# KiCad board matrix-x02-x06.kicad_pcb (continued)
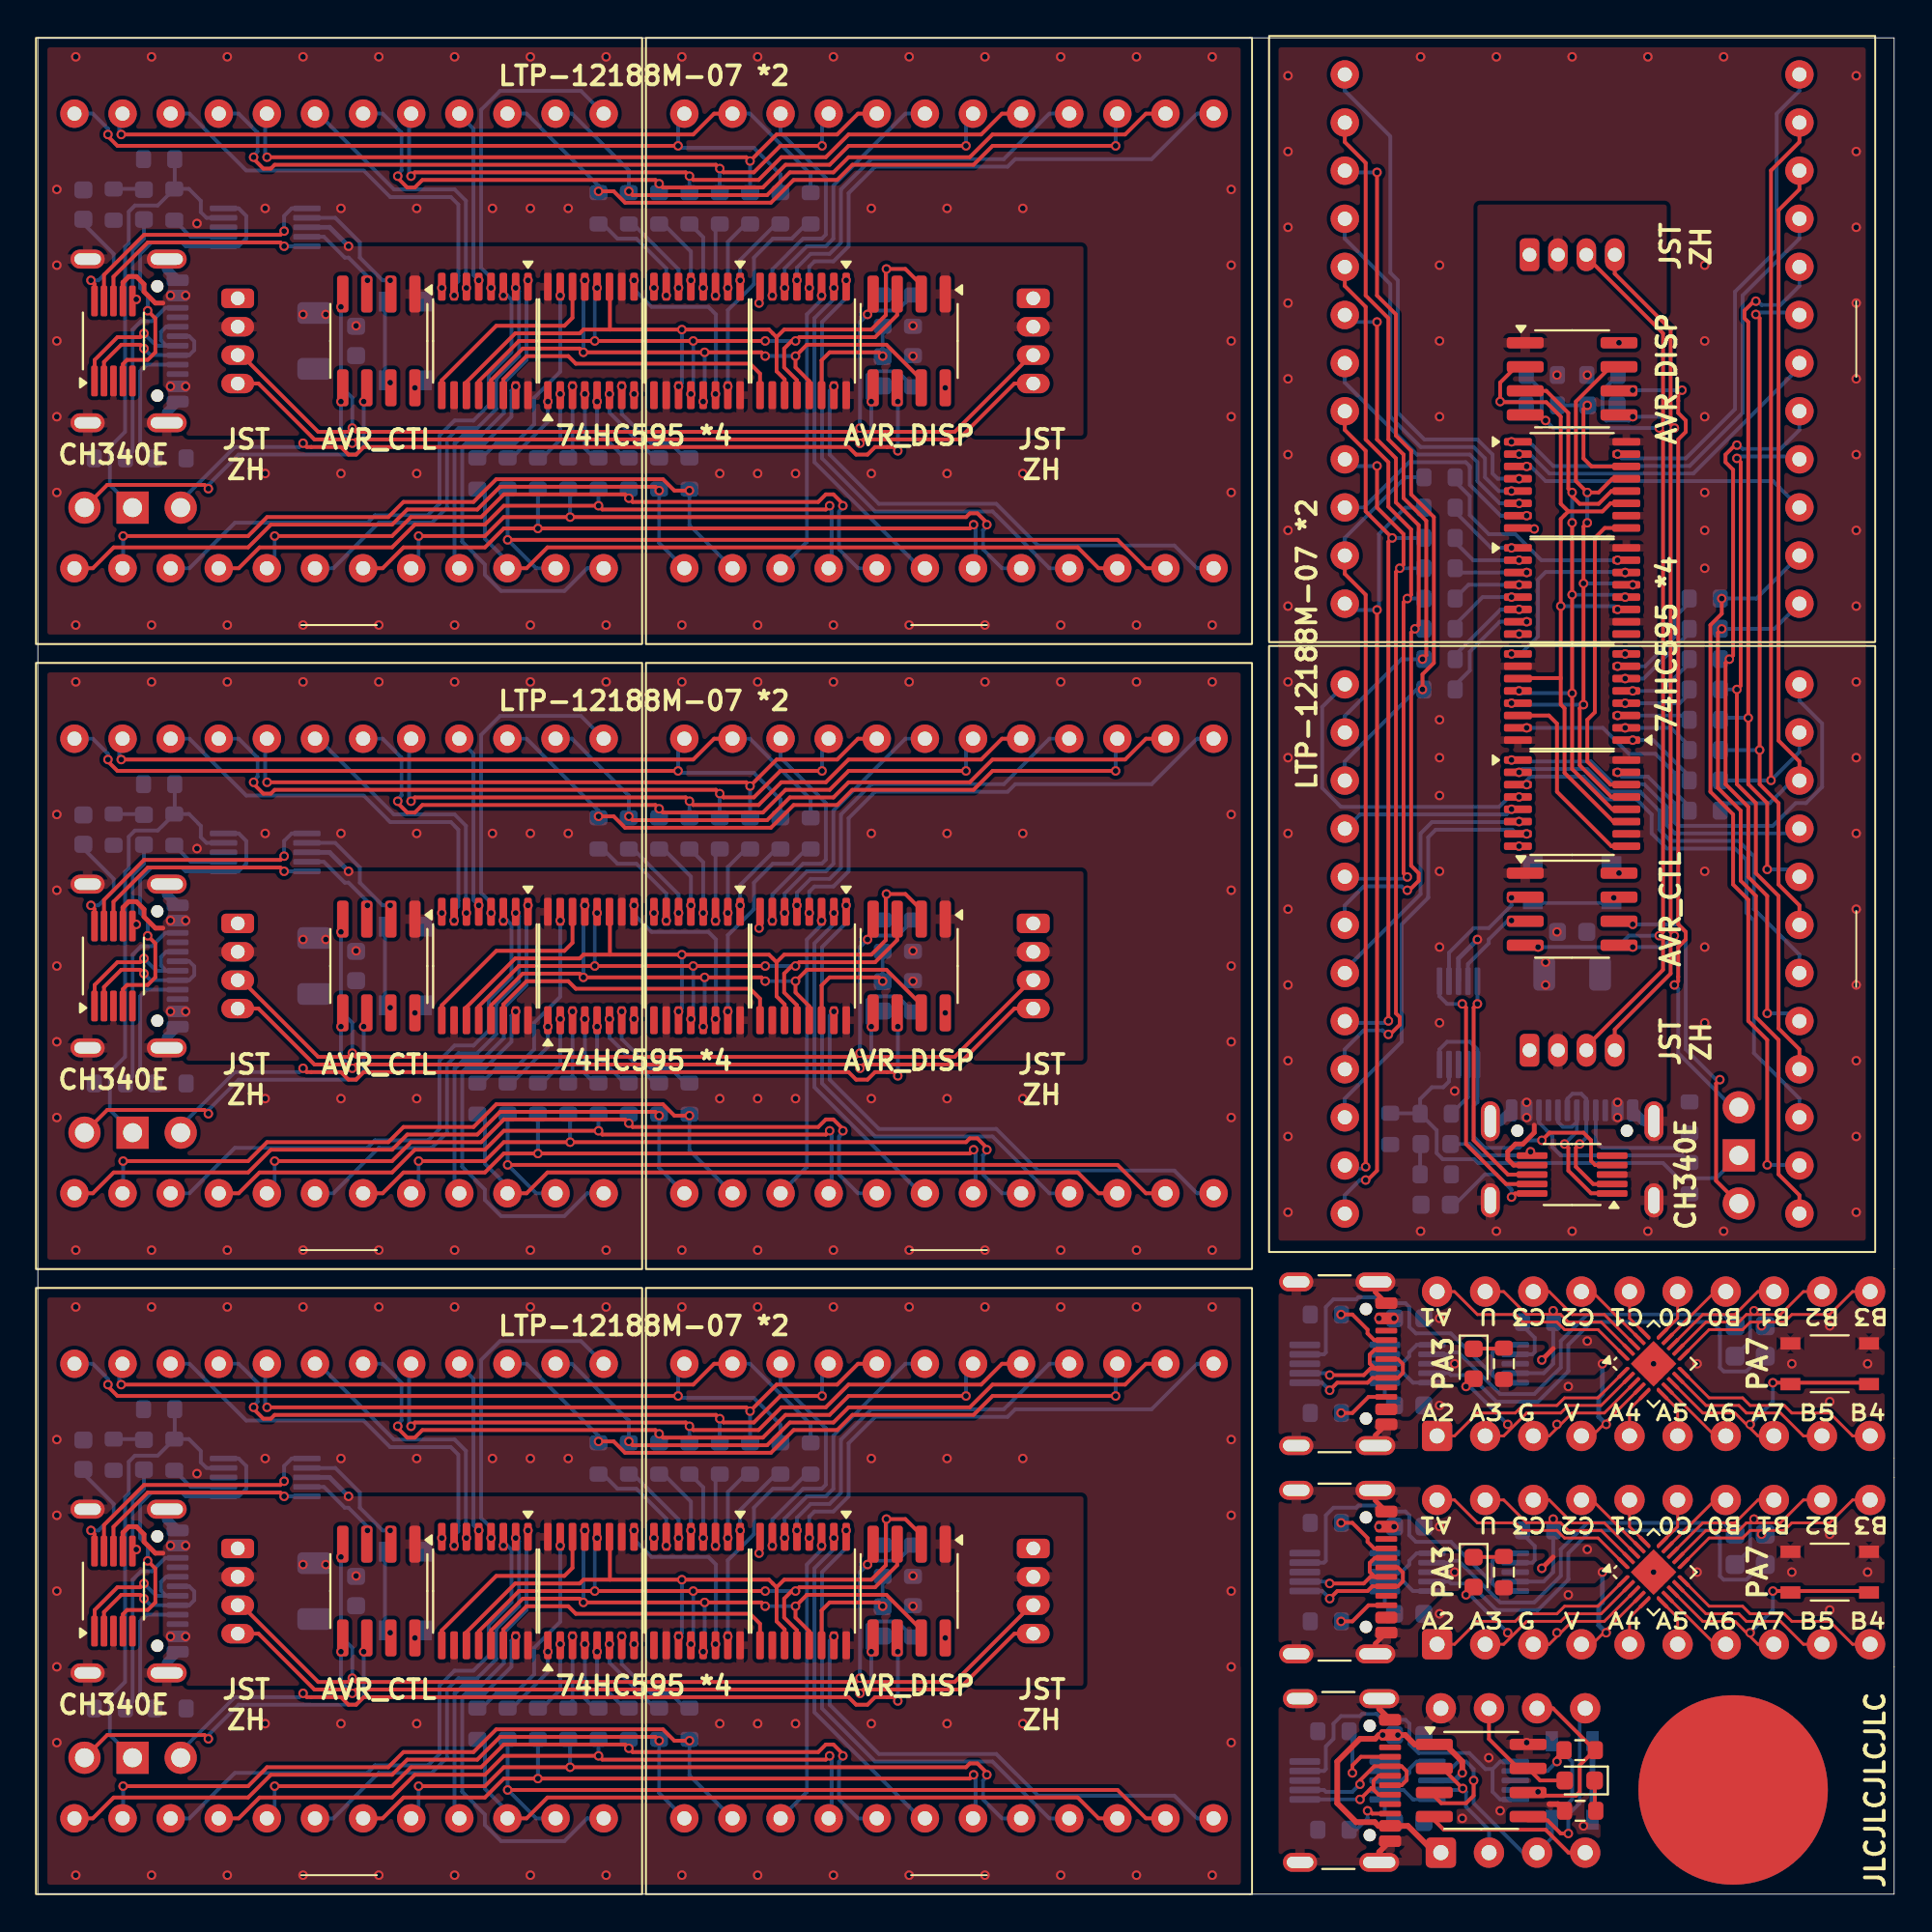
[diagram p0: board, top side]
## Routing (per net, layer and track width the routed paths; a pad name or vN(x,y) marks a point on that pad's centre or on a via; arc(x,y) is an arc through that point)
/V3: length 23.1
  Top w0.2: U8#2.10 2.99,85.01 v1(2.8,85.2) ; U8#4.10 77.99,36.99 v1(77.8,36.8) ; U8.10 2.99,19.01 v1(2.8,19.2) ; U8#3.10 2.99,52.01 v1(2.8,52.2)
  Bottom w0.2: v1(2.8,19.2) 3.2,19.2 4,20 4,20.6 2.4,22.2 C2.2 ; C2#4.2 74.8,36.4 76.4,38 77,38 77.8,37.2 v1(77.8,36.8) ; v1(2.8,85.2) 3.2,85.2 4,86 4,86.6 2.4,88.2 C2#5.2 ; v1(2.8,52.2) 3.2,52.2 4,53 4,53.6 2.4,55.2 2.4,55.42
GND: length 38.8
  Top w0.15: U1#6.3 82.7,14.4 81,14.4 79.79,13.19 J1.3 ; U1#5.3 82.7,25.4 81,25.4 79.79,24.19 J1#2.3
  Top w0.25: J2.A1 70.61,31.78 J2.S1 ; v1(79.4,17.2) 80,17.8 ; J2#3.A1 70.61,20.78 J2#3.S1 ; J2.A12 70.61,24.22 J2.S1 ; J2#3.A12 70.61,13.22 J2#3.S1 ; v1(79.4,28.2) 80,28.8
  Top w0.3: J3.S1 70.81,9.78 J3.A1 ; J3.A12 70.81,2.22 J3.S1 ; 79.8,4.75 80.25,4.75 R1.2
  Bottom w0.3: SW1#7.1 SW1#7.1
  Bottom w0.5: J3#3.S1 6.8,45.22 J3#3.A1 ; J3#5.A1 6.8,12.22 J3#5.S1 ; J3#4.S1 6.8,85.78 J3#4.A12 ; J3#3.A12 6.8,52.78 J3#3.S1 ; J3#5.A12 6.8,19.78 J3#5.S1 ; J3#2.A12 77.22,40.81 J3#2.S1 ; J3#2.S1 84.78,40.81 J3#2.A1 ; J3#4.S1 6.8,78.22 J3#4.A1
  vias: v1(1,90) v1(1,86) v1(1,82) v1(1,78) v1(1,74) v1(1,57) v1(1,53) v1(1,49) v1(1,45) v1(1,41) v1(1,24) v1(1,20) v1(1,16) v1(1,12) v1(1,8) v1(2,97) v1(2,67) v1(2,64) v1(2,34) v1(2,31) v1(2,1) v1(6,97) v1(6,67) v1(6,64) v1(6,34) v1(6,31) v1(6,1) v1(8.4,88.2) v1(8.4,55.2) v1(8.4,22.2) v1(10,97) v1(10,67) v1(10,64) v1(10,34) v1(10,31) v1(10,1) v1(12,89) v1(12,75) v1(12,56) v1(12,42) v1(12,23) v1(12,9) v1(14,97) v1(14,67) v1(14,64) v1(14,34) v1(14,31) v1(14,1) v1(16,89) v1(16,75) v1(16,56) v1(16,42) v1(16,23) v1(16,9) v1(18,97) v1(18,67) v1(18,64) v1(18,34) v1(18,31) v1(18,1) v1(19.91,79.53) v1(19.91,46.53) v1(19.91,13.53) v1(20,89) v1(20,75) v1(20,56) v1(20,42) v1(20,23) v1(20,9) v1(21.33,84.8) v1(21.33,51.8) v1(21.33,18.8) v1(22,97) v1(22,67) v1(22,64) v1(22,34) v1(22,31) v1(22,1) v1(24,89) v1(24,56) v1(24,23) v1(26,97) v1(26,89) v1(26,67) v1(26,64) v1(26,56) v1(26,34) v1(26,31) v1(26,23) v1(26,1) v1(28,89) v1(28,56) v1(28,23) v1(30,97) v1(30,67) v1(30,64) v1(30,34) v1(30,31) v1(30,1) v1(31.48,79.2) v1(31.48,46.2) v1(31.48,13.2) v1(32.52,84.8) v1(32.52,51.8) v1(32.52,18.8) v1(34,97) v1(34,67) v1(34,64) v1(34,34) v1(34,31) v1(34,1) v1(36,75) v1(36,42) v1(36,9) v1(38,97) v1(38,75) v1(38,67) v1(38,64) v1(38,42) v1(38,34) v1(38,31) v1(38,9) v1(38,1) v1(38.07,84) v1(38.07,51) v1(38.07,18) v1(40,75) v1(40,42) v1(40,9) v1(42,97) v1(42,67) v1(42,64) v1(42,34) v1(42,31) v1(42,1) v1(44,89) v1(44,75) v1(44,56) v1(44,42) v1(44,23) v1(44,9) v1(46,97) v1(46,67) v1(46,64) v1(46,34) v1(46,31) v1(46,1) v1(47.91,79.53) v1(47.91,46.53) v1(47.91,13.53) v1(48,89) v1(48,75) v1(48,56) v1(48,42) v1(48,23) v1(48,9) v1(50,97) v1(50,67) v1(50,64) v1(50,34) v1(50,31) v1(50,1) v1(52,89) v1(52,75) v1(52,56) v1(52,42) v1(52,23) v1(52,9) v1(54,97) v1(54,67) v1(54,64) v1(54,34) v1(54,31) v1(54,1) v1(58,97) v1(58,67) v1(58,64) v1(58,34) v1(58,31) v1(58,1) v1(62,97) v1(62,67) v1(62,64) v1(62,34) v1(62,31) v1(62,1) v1(63,90) v1(63,86) v1(63,82) v1(63,78) v1(63,74) v1(63,57) v1(63,53) v1(63,49) v1(63,45) v1(63,41) v1(63,24) v1(63,20) v1(63,16) v1(63,12) v1(63,8) v1(66,96) v1(66,92) v1(66,88) v1(66,84) v1(66,80) v1(66,76) v1(66,72) v1(66,68) v1(66,64) v1(66,60) v1(66,56) v1(66,52) v1(66,48) v1(66,44) v1(66,40) v1(66,36) v1(73,97) v1(73,35) v1(74,86) v1(74,82) v1(74,78) v1(74,62) v1(74,60) v1(74,58) v1(74,54) v1(74,50) v1(74,46) v1(74,30.4) v1(74,25.8) v1(74,19.4) v1(74,14.8) v1(74.8,42.4) v1(75.2,4) v1(76.6,7.2) v1(77,97) v1(77,35) v1(77.2,4.4) v1(78.2,66.53) v1(78.2,55.33) v1(78.6,8) v1(79,72.07) v1(80.2,24.8) v1(80.2,13.8) v1(80.8,26.8) v1(80.8,15.8) v1(81,97) v1(81,35) v1(81.6,3.6) v1(81.8,29.2) v1(81.8,18.2) v1(83.47,81.91) v1(83.47,53.91) v1(83.8,65.47) v1(85,97) v1(85,35) v1(85.3,28) v1(85.3,17) v1(87.6,28) v1(87.6,17) v1(88,86) v1(88,82) v1(88,78) v1(88,74) v1(88,72) v1(88,70) v1(88,54) v1(88,50) v1(88,46) v1(89,97) v1(89,35) v1(92.6,28) v1(92.6,17) v1(94.6,30) v1(94.6,26) v1(94.6,19) v1(94.6,15) v1(96,96) v1(96,92) v1(96,88) v1(96,84) v1(96,80) v1(96,76) v1(96,72) v1(96,68) v1(96,64) v1(96,60) v1(96,56) v1(96,52) v1(96,48) v1(96,44) v1(96,40) v1(96,36) v1(96.6,28) v1(96.6,17)
VCC: length 64.6
  Top w0.15: J1#2.4 82.06,24.19 U1#5.4 ; J1.4 82.06,13.19 U1#6.4
  Top w0.25: U8#3.7 4.49,52.09 4.8,52.4 5.2,52.4 5.6,52 5.6,51.6 6.2,51 6.6,51 ; 6.6,84 6.2,84 5.6,84.6 5.6,85 5.2,85.4 4.8,85.4 4.49,85.09 U8#2.7 ; 6.6,18 6.2,18 5.6,18.6 5.6,19 5.2,19.4 4.8,19.4 4.49,19.09 U8.7 ; 79,40.6 79,40.2 78.4,39.6 78,39.6 77.6,39.2 77.6,38.8 77.91,38.49 U8#4.7
  Top w0.3: J2#2.1 73.74,2.19 72.33,3.6 J3.A9 70.78,3.6 70.58,3.8 69.6,3.8 68.6,4.8 68.6,7 69.8,8.2 70.6,8.2 70.8,8.4 J3.A4 72.19,8.4 72.69,7.91 74.3,7.91 75.2,7 v1(75.2,6.4)
  Bottom w0.25: U7#3.8 15.4,55 v1(16.4,54) ; v1(82.6,17) 82.6,15.4 82.4,15.2 82.4,14.2 v1(82.8,13.8) ; v1(70.8,19.4) v1(71.6,19.4) ; U3#5.8 v1(74.8,17) ; U3#7.8 v1(74.8,28) ; U7.8 15.4,22 v1(16.4,21) ; U7#4.8 15.4,88 v1(16.4,87) ; v1(82.6,28) 82.6,26.4 82.4,26.2 82.4,25.2 v1(82.8,24.8) ; v1(70.8,30.4) v1(71.6,30.4) ; U7#2.8 75,49.4 v1(76,50.4)
  Bottom w0.3: v1(75.2,6.4) 74.8,6 U3#6.8
  vias: v1(7,84.4) v1(7,79.6) v1(7,51.4) v1(7,46.6) v1(7,18.4) v1(7,13.6) v1(7.8,84.4) v1(7.8,79.6) v1(7.8,51.4) v1(7.8,46.6) v1(7.8,18.4) v1(7.8,13.6) v1(14,83.4) v1(14,50.4) v1(14,17.4) v1(15.2,83.4) v1(15.2,50.4) v1(15.2,17.4) v1(16.8,82.8) v1(16.8,49.8) v1(16.8,16.8) v1(46.2,82.8) v1(46.2,81.2) v1(46.2,49.8) v1(46.2,48.2) v1(46.2,16.8) v1(46.2,15.2) v1(71,8.4) v1(71.8,8.4) v1(78.6,41.8) v1(78.6,41) v1(79.6,49.2) v1(79.6,48) v1(80.2,80.2) v1(80.2,50.8) v1(81.8,80.2) v1(83.4,41.8) v1(83.4,41)
/COL1: length 161.5
  Top w0.2: v1(70.1,38.4) 70.1,68.6 69,69.7 D2#2.23 ; v1(4.4,59.9) 34.6,59.9 35.7,61 D2.23 ; v1(4.4,92.9) 34.6,92.9 35.7,94 D2#4.23 ; v1(4.4,26.9) 34.6,26.9 35.7,28 D2#3.23
  Bottom w0.2: D2#2.23 69,71.6 72.2,74.8 R1#6.2 ; D2.23 37.6,61 40.8,57.8 R1#3.2 ; v1(70.1,38.4) 70,38.3 69.17,38.3 D1#7.23 ; v1(4.4,26.9) 4.3,27 4.3,27.83 D1#6.23 ; D1.23 4.3,60.83 4.3,60 v1(4.4,59.9) ; R1#4.2 40.8,90.8 37.6,94 D2#4.23 ; v1(4.4,92.9) 4.3,93 4.3,93.83 D1#5.23 ; D2#3.23 37.6,28 40.8,24.8 R1#7.2
/COL2: length 166.6
  Top w0.2: v1(70.7,67.8) 70.7,38.2 70.2,37.7 v1(70.1,37.7) ; v1(33.8,92.3) 4.2,92.3 3.7,92.8 v1(3.7,92.9) ; v1(3.7,59.9) 3.7,59.8 4.2,59.3 v1(33.8,59.3) ; v1(3.7,26.9) 3.7,26.8 4.2,26.3 v1(33.8,26.3)
  Bottom w0.2: D1#5.24 2.9,94 3.7,93.2 v1(3.7,92.9) ; D1.24 2.9,61 3.7,60.2 v1(3.7,59.9) ; R2#2.2 72.2,73.2 70.8,71.8 70.8,67.9 v1(70.7,67.8) 69.33,67.8 D2#2.24 ; v1(70.1,37.7) 69.8,37.7 69,36.9 D1#7.24 ; R2#6.2 39.2,57.8 37.8,59.2 33.9,59.2 v1(33.8,59.3) 33.8,60.67 D2.24 ; R2#5.2 39.2,90.8 37.8,92.2 33.9,92.2 v1(33.8,92.3) 33.8,93.67 D2#4.24 ; D1#6.24 2.9,28 3.7,27.2 v1(3.7,26.9) ; R2#4.2 39.2,24.8 37.8,26.2 33.9,26.2 v1(33.8,26.3) 33.8,27.67 D2#3.24
/COL3: length 149.4
  Top w0.2: v1(12.1,91.7) 37.4,91.7 v1(37.6,91.5) 39,92.9 42.2,92.9 43.3,94 D2#4.20 ; D2#3.20 43.3,28 42.2,26.9 39,26.9 v1(37.6,25.5) 37.4,25.7 v1(12.1,25.7) ; D2.20 43.3,61 42.2,59.9 39,59.9 v1(37.6,58.5) 37.4,58.7 v1(12.1,58.7) ; D2#2.20 69,77.3 70.1,76.2 70.1,73 v1(71.5,71.6) 71.3,71.4 v1(71.3,46.1)
  Bottom w0.2: v1(12.1,91.7) 12,91.8 12,93.91 D1#5.20 ; v1(37.6,58.5) R3#4.2 ; D1.20 12,60.91 12,58.8 v1(12.1,58.7) ; v1(71.3,46.1) 71.2,46 69.09,46 D1#7.20 ; v1(37.6,25.5) R3#3.2 ; v1(37.6,91.5) R3.2 ; D1#6.20 12,27.91 12,25.8 v1(12.1,25.7) ; v1(71.5,71.6) R3#5.2
/COL4: length 152.4
  Top w0.2: v1(11.39,91.7) 11.39,91.61 11.9,91.1 12.3,91.1 12.5,91.3 35.8,91.3 v1(36,91.1) 36.2,90.9 37.8,90.9 39.2,92.3 v1(41.4,92.3) ; v1(11.39,25.7) 11.39,25.61 11.9,25.1 12.3,25.1 12.5,25.3 35.8,25.3 v1(36,25.1) 36.2,24.9 37.8,24.9 39.2,26.3 v1(41.4,26.3) ; v1(11.39,58.7) 11.39,58.61 11.9,58.1 12.3,58.1 12.5,58.3 35.8,58.3 v1(36,58.1) 36.2,57.9 37.8,57.9 39.2,59.3 v1(41.4,59.3) ; v1(71.3,45.39) 71.39,45.39 71.9,45.9 71.9,46.3 71.7,46.5 71.7,69.8 v1(71.9,70) 72.1,70.2 72.1,71.8 70.7,73.2 v1(70.7,75.4)
  Bottom w0.2: v1(11.39,91.7) 11.4,91.71 11.4,91.8 11.6,92 11.6,93 10.6,94 D1#5.21 ; D2#4.21 41.4,93.65 v1(41.4,92.3) ; D2.21 41.4,60.65 v1(41.4,59.3) ; D2#3.21 41.4,27.65 v1(41.4,26.3) ; D1.21 10.6,61 11.6,60 11.6,59 11.4,58.8 11.4,58.71 v1(11.39,58.7) ; D1#7.21 69,44.6 70,45.6 71,45.6 71.2,45.4 71.29,45.4 v1(71.3,45.39) ; R4.2 v1(36,58.1) ; D1#6.21 10.6,28 11.6,27 11.6,26 11.4,25.8 11.4,25.71 v1(11.39,25.7) ; R4#2.2 v1(71.9,70) ; R4#5.2 v1(36,25.1) ; R4#4.2 v1(36,91.1) ; D2#2.21 69.35,75.4 v1(70.7,75.4)
/COL5: length 152.7
  Top w0.2: D2#4.17 50.9,94 49.8,92.9 42.8,92.9 41.6,91.7 39.25,91.7 38.05,90.5 34.6,90.5 v1(34.4,90.7) 34.2,90.9 19.9,90.9 v1(19.7,90.7) ; v1(72.3,53.7) 72.1,53.9 72.1,68.2 v1(72.3,68.4) 72.5,68.6 72.5,72.05 71.3,73.25 71.3,75.6 70.1,76.8 70.1,83.8 69,84.9 D2#2.17 ; v1(19.7,57.7) 19.9,57.9 34.2,57.9 v1(34.4,57.7) 34.6,57.5 38.05,57.5 39.25,58.7 41.6,58.7 42.8,59.9 49.8,59.9 50.9,61 D2.17 ; D2#3.17 50.9,28 49.8,26.9 42.8,26.9 41.6,25.7 39.25,25.7 38.05,24.5 34.6,24.5 v1(34.4,24.7) 34.2,24.9 19.9,24.9 v1(19.7,24.7)
  Bottom w0.2: R5#5.2 v1(34.4,90.7) ; D1#6.17 19.6,27.89 19.6,24.8 v1(19.7,24.7) ; R5.2 v1(72.3,68.4) ; R5#3.2 v1(34.4,57.7) ; D1#7.17 69.11,53.6 72.2,53.6 v1(72.3,53.7) ; D1.17 19.6,60.89 19.6,57.8 v1(19.7,57.7) ; v1(19.7,90.7) 19.6,90.8 19.6,93.89 D1#5.17 ; R5#6.2 v1(34.4,24.7)
/COL6: length 154.8
  Top w0.2: v1(72.3,53) 72.4,53 72.9,53.5 72.9,53.9 72.5,54.3 72.5,66.6 v1(72.7,66.8) 72.9,67 72.9,72.28 71.7,73.48 71.7,75.8 70.7,76.8 v1(70.7,83) ; v1(49,59.3) 42.8,59.3 41.8,58.3 39.48,58.3 38.28,57.1 33,57.1 v1(32.8,57.3) 32.6,57.5 20.3,57.5 19.9,57.1 19.5,57.1 19,57.6 v1(19,57.7) ; v1(19,90.7) 19,90.6 19.5,90.1 19.9,90.1 20.3,90.5 32.6,90.5 v1(32.8,90.3) 33,90.1 38.28,90.1 39.48,91.3 41.8,91.3 42.8,92.3 v1(49,92.3) ; v1(19,24.7) 19,24.6 19.5,24.1 19.9,24.1 20.3,24.5 32.6,24.5 v1(32.8,24.3) 33,24.1 38.28,24.1 39.48,25.3 41.8,25.3 42.8,26.3 v1(49,26.3)
  Bottom w0.2: D2#4.18 49,93.63 v1(49,92.3) ; v1(72.7,66.8) R6#5.2 ; D1#5.18 18.2,94 19.2,93 19.2,91 19,90.8 v1(19,90.7) ; v1(49,59.3) 49,60.63 D2.18 ; D1#6.18 18.2,28 19.2,27 19.2,25 19,24.8 v1(19,24.7) ; D1.18 18.2,61 19.2,60 19.2,58 19,57.8 v1(19,57.7) ; v1(49,26.3) 49,27.63 D2#3.18 ; D2#2.18 69.37,83 v1(70.7,83) ; v1(32.8,24.3) R6#6.2 ; D1#7.18 69,52.2 70,53.2 72,53.2 72.2,53 v1(72.3,53) ; v1(32.8,57.3) R6#3.2 ; v1(32.8,90.3) R6#4.2
/COL7: length 145.6
  Top w0.2: D2#4.14 58.5,94 57.4,92.9 50.4,92.9 49.2,91.7 42.8,91.7 42,90.9 39.7,90.9 38.5,89.7 31.4,89.7 v1(31.2,89.9) ; D2#2.14 69,92.5 70.1,91.4 70.1,84.4 71.3,83.2 71.3,76.8 72.1,76 72.1,73.7 73.3,72.5 73.3,65.4 v1(73.1,65.2) ; v1(31.2,56.9) 31.4,56.7 38.5,56.7 39.7,57.9 42,57.9 42.8,58.7 49.2,58.7 50.4,59.9 57.4,59.9 58.5,61 D2.14 ; v1(31.2,23.9) 31.4,23.7 38.5,23.7 39.7,24.9 42,24.9 42.8,25.7 49.2,25.7 50.4,26.9 57.4,26.9 58.5,28 D2#3.14
  Bottom w0.2: v1(31.2,56.9) 31.2,58 28.2,61 D1.14 ; v1(73.1,65.2) 72,65.2 69,62.2 D1#7.14 ; v1(31.2,23.9) 31.2,25 28.2,28 D1#6.14 ; v1(31.2,89.9) 31.2,91 28.2,94 D1#5.14
/COL8: length 149.1
  Top w0.2: v1(56.9,26.3) 50.4,26.3 49.4,25.3 43,25.3 42.2,24.5 39.9,24.5 38.7,23.3 31,23.3 30.4,23.9 v1(29.6,23.9) ; v1(56.9,59.3) 50.4,59.3 49.4,58.3 43,58.3 42.2,57.5 39.9,57.5 38.7,56.3 31,56.3 30.4,56.9 v1(29.6,56.9) ; v1(73.1,63.6) 73.1,64.4 73.7,65 73.7,72.7 72.5,73.9 72.5,76.2 71.7,77 71.7,83.4 70.7,84.4 v1(70.7,90.9) ; v1(56.9,92.3) 50.4,92.3 49.4,91.3 43,91.3 42.2,90.5 39.9,90.5 38.7,89.3 31,89.3 30.4,89.9 v1(29.6,89.9)
  Bottom w0.2: D1#7.15 69,59.8 72.8,63.6 v1(73.1,63.6) R8#4.2 ; v1(56.9,26.3) 56.9,27.91 D2#3.15 ; D2#4.15 56.9,93.91 v1(56.9,92.3) ; D2#2.15 69.09,90.9 v1(70.7,90.9) ; D2.15 56.9,60.91 v1(56.9,59.3) ; R8#2.2 v1(29.6,56.9) 29.6,57.2 25.8,61 D1.15 ; R8.2 v1(29.6,89.9) 29.6,90.2 25.8,94 D1#5.15 ; D1#6.15 25.8,28 29.6,24.2 v1(29.6,23.9) R8#3.2
/COL9: length 152.6
  Top w0.2: v1(34.4,41.1) 33.6,41.1 33,41.7 24.2,41.7 23,40.5 19.3,40.5 18.5,39.7 12.1,39.7 11.1,38.7 v1(4.5,38.7) ; v1(34.4,8.1) 33.6,8.1 33,8.7 24.2,8.7 23,7.5 19.3,7.5 18.5,6.7 12.1,6.7 11.1,5.7 v1(4.5,5.7) ; v1(88.9,68.4) 88.9,67.6 88.3,67 88.3,58.2 89.5,57 89.5,53.3 90.3,52.5 90.3,46.1 91.3,45.1 v1(91.3,38.5) ; v1(4.5,71.7) 11.1,71.7 12.1,72.7 18.5,72.7 19.3,73.5 23,73.5 24.2,74.7 33,74.7 33.6,74.1 v1(34.4,74.1)
  Bottom w0.2: v1(4.5,38.7) 4.5,37.03 D1.2 ; v1(4.5,5.7) 4.5,4.03 D1#6.2 ; v1(34.4,41.1) 34.4,39.27 D2.2 ; v1(4.5,71.7) 4.5,70.03 D1#5.2 ; v1(88.9,68.4) 90.73,68.4 D2#2.2 ; v1(34.4,8.1) 34.4,6.27 D2#3.2 ; D1#7.2 92.97,38.5 v1(91.3,38.5) ; v1(34.4,74.1) 34.4,72.27 D2#4.2
/COL10: length 149.5
  Top w0.2: v1(88.9,66.8) 88.7,66.6 88.7,58.4 89.9,57.2 89.9,53.5 90.7,52.7 90.7,46.3 91.9,45.1 91.9,38 93,36.9 D1#7.1 ; v1(32.8,74.1) 32.6,74.3 24.4,74.3 23.2,73.1 19.5,73.1 18.7,72.3 12.3,72.3 11.1,71.1 4,71.1 2.9,70 D1#5.1 ; v1(32.8,41.1) 32.6,41.3 24.4,41.3 23.2,40.1 19.5,40.1 18.7,39.3 12.3,39.3 11.1,38.1 4,38.1 2.9,37 D1.1 ; D1#6.1 2.9,4 4,5.1 11.1,5.1 12.3,6.3 18.7,6.3 19.5,7.1 23.2,7.1 24.4,8.3 32.6,8.3 v1(32.8,8.1)
  Bottom w0.2: D2#2.1 91.67,66.8 v1(88.9,66.8) ; v1(32.8,74.1) 32.8,71.33 D2#4.1 ; D2#3.1 32.8,5.33 v1(32.8,8.1) ; D2.1 32.8,38.33 v1(32.8,41.1)
/COL11: length 154.7
  Top w0.2: v1(42.5,73.3) 42.5,73.4 42,73.9 41.6,73.9 41.2,73.5 31.4,73.5 v1(31.2,73.7) 31,73.9 24.6,73.9 23.4,72.7 19.7,72.7 18.7,71.7 v1(12.5,71.7) ; v1(91.3,46.5) 91.3,52.7 90.3,53.7 90.3,57.4 89.1,58.6 89.1,65 v1(89.3,65.2) 89.5,65.4 89.5,75.2 89.1,75.6 89.1,76 89.6,76.5 v1(89.7,76.5) ; v1(12.5,38.7) 18.7,38.7 19.7,39.7 23.4,39.7 24.6,40.9 31,40.9 v1(31.2,40.7) 31.4,40.5 41.2,40.5 41.6,40.9 42,40.9 42.5,40.4 v1(42.5,40.3) ; v1(12.5,5.7) 18.7,5.7 19.7,6.7 23.4,6.7 24.6,7.9 31,7.9 v1(31.2,7.7) 31.4,7.5 41.2,7.5 41.6,7.9 42,7.9 42.5,7.4 v1(42.5,7.3)
  Bottom w0.2: D1.5 12.5,37.41 v1(12.5,38.7) ; D2#4.5 43.3,70 42.3,71 42.3,73 42.5,73.2 v1(42.5,73.3) ; D1#7.5 92.59,46.5 v1(91.3,46.5) ; v1(12.5,5.7) 12.5,4.41 D1#6.5 ; D2#3.5 43.3,4 42.3,5 42.3,7 42.5,7.2 v1(42.5,7.3) ; v1(89.7,76.5) 89.8,76.5 90,76.3 92,76.3 93,77.3 D2#2.5 ; D1#5.5 12.5,70.41 v1(12.5,71.7) ; v1(31.2,7.7) R11#3.2 ; D2.5 43.3,37 42.3,38 42.3,40 42.5,40.2 v1(42.5,40.3) ; v1(31.2,73.7) R11#4.2 ; v1(31.2,40.7) R11.2 ; v1(89.3,65.2) R11#2.2
/COL12: length 152.2
  Top w0.2: v1(41.8,40.3) 41.6,40.1 29.8,40.1 v1(29.6,40.3) 24.6,40.3 23.6,39.3 19.9,39.3 18.7,38.1 11.7,38.1 10.6,37 D1.4 ; D1#6.4 10.6,4 11.7,5.1 18.7,5.1 19.9,6.3 23.6,6.3 24.6,7.3 v1(29.6,7.3) 29.8,7.1 41.6,7.1 v1(41.8,7.3) ; D1#7.4 93,44.6 91.9,45.7 91.9,52.7 90.7,53.9 90.7,57.6 89.7,58.6 v1(89.7,63.6) 89.9,63.8 89.9,75.6 v1(89.7,75.8) ; D1#5.4 10.6,70 11.7,71.1 18.7,71.1 19.9,72.3 23.6,72.3 24.6,73.3 v1(29.6,73.3) 29.8,73.1 41.6,73.1 v1(41.8,73.3)
  Bottom w0.2: v1(41.8,7.3) 41.9,7.2 41.9,4.15 D2#3.4 ; D2.4 41.9,37.15 41.9,40.2 v1(41.8,40.3) ; v1(89.7,75.8) 89.8,75.9 92.85,75.9 D2#2.4 ; v1(29.6,7.3) R12#2.2 ; v1(29.6,40.3) R12#3.2 ; v1(41.8,73.3) 41.9,73.2 41.9,70.15 D2#4.4 ; v1(29.6,73.3) R12.2 ; v1(89.7,63.6) R12#4.2
/COL13: length 152
  Top w0.2: v1(20.1,38.7) 23.6,38.7 24.6,39.7 v1(28.1,39.7) 49,39.7 49.2,39.9 49.6,39.9 50.1,39.4 v1(50.1,39.3) ; v1(91.3,54.1) 91.3,57.6 90.3,58.6 v1(90.3,62.1) 90.3,83 90.1,83.2 90.1,83.6 90.6,84.1 v1(90.7,84.1) ; v1(50.1,72.3) 50.1,72.4 49.6,72.9 49.2,72.9 49,72.7 v1(28.1,72.7) 24.6,72.7 23.6,71.7 v1(20.1,71.7) ; v1(50.1,6.3) 50.1,6.4 49.6,6.9 49.2,6.9 49,6.7 v1(28.1,6.7) 24.6,6.7 23.6,5.7 v1(20.1,5.7)
  Bottom w0.2: D2#2.8 93,84.9 92,83.9 91,83.9 90.8,84.1 v1(90.7,84.1) ; v1(50.1,39.3) 50.1,39.2 49.9,39 49.9,38 50.9,37 D2.8 ; v1(50.1,6.3) 50.1,6.2 49.9,6 49.9,5 50.9,4 D2#3.8 ; v1(90.3,62.1) 88.92,62.1 R13#2.2 ; v1(50.1,72.3) 50.1,72.2 49.9,72 49.9,71 50.9,70 D2#4.8 ; R13.2 28.1,8.08 v1(28.1,6.7) ; v1(91.3,54.1) 92.61,54.1 D1#7.8 ; D1#6.8 20.1,4.39 v1(20.1,5.7) ; D1.8 20.1,37.39 v1(20.1,38.7) ; R13#3.2 28.1,41.08 v1(28.1,39.7) ; R13#4.2 28.1,74.08 v1(28.1,72.7) ; v1(20.1,71.7) 20.1,70.39 D1#5.8
/COL14: length 150.6
  Top w0.2: v1(49.4,39.3) 49.2,39.1 24.6,39.1 23.6,38.1 19.3,38.1 18.2,37 D1.7 ; v1(90.7,83.4) 90.9,83.2 90.9,58.6 91.9,57.6 91.9,53.3 93,52.2 D1#7.7 ; v1(49.4,72.3) 49.2,72.1 24.6,72.1 23.6,71.1 19.3,71.1 18.2,70 D1#5.7 ; v1(49.4,6.3) 49.2,6.1 24.6,6.1 23.6,5.1 19.3,5.1 18.2,4 D1#6.7
  Bottom w0.2: v1(49.4,72.3) 49.5,72.2 49.5,70.13 D2#4.7 ; D2#2.7 92.87,83.5 90.8,83.5 v1(90.7,83.4) ; D2#3.7 49.5,4.13 49.5,6.2 v1(49.4,6.3) ; v1(26.4,72.1) R14.2 ; D2.7 49.5,37.13 49.5,39.2 v1(49.4,39.3) ; v1(26.4,39.1) R14#3.2 ; v1(90.9,60.4) R14#4.2 ; v1(26.4,6.1) R14#2.2
/COL15: length 164.7
  Top w0.2: D2#2.11 93,92.5 91.5,91 v1(91.5,58.8) ; v1(24.8,71.5) 57,71.5 58.5,70 D2#4.11 ; D2#3.11 58.5,4 57,5.5 v1(24.8,5.5) ; v1(24.8,38.5) 57,38.5 58.5,37 D2.11
  Bottom w0.2: R15#4.2 v1(24.8,38.5) 26.3,37 D1.11 ; D1#7.11 93,60.3 v1(91.5,58.8) R15#2.2 ; D1#6.11 26.3,4 v1(24.8,5.5) R15#3.2 ; R15.2 v1(24.8,71.5) 26.3,70 D1#5.11
/COL16: length 152.3
  Top w0.2: D2#2.10 93,90 91.9,88.9 91.9,60.9 93,59.8 D1#7.10 ; D2.10 56,37 54.9,38.1 26.9,38.1 25.8,37 D1.10 ; D2#4.10 56,70 54.9,71.1 26.9,71.1 25.8,70 D1#5.10 ; D1#6.10 25.8,4 26.9,5.1 54.9,5.1 56,4 D2#3.10
  Bottom w0.2: D1#5.10 24.79,70.37 23.6,71.56 23.6,74 23.42,74.17 R16.2 ; R16#2.2 23.42,8.17 23.6,8 23.6,5.56 24.79,4.37 D1#6.10 ; D1#7.10 92.63,58.79 91.44,57.6 89,57.6 88.83,57.42 R16#3.2 ; R16#4.2 23.42,41.17 23.6,41 23.6,38.56 24.79,37.37 D1.10
/OE#: length 138.5
  Top w0.2: U5.7 46.64,13.97 44.8,15.8 40.6,15.8 v1(40,15.2) 40,14.6 40.73,13.88 U4#3.13 ; v1(38.4,81.2) 38.2,81.4 v1(35.2,81.4) v1(28.8,81.4) 28.6,81.6 25.6,81.6 23.92,79.92 23.92,79.14 ; U4.13 83.12,74.72 82.4,74 v1(81.8,74) 81.2,74.6 81.2,78.8 83.03,80.63 U5#4.7 ; 83.86,57.92 83.08,57.92 81.4,59.6 81.4,62.6 v1(81.6,62.8) v1(81.6,69.2) 81.6,72.2 v1(81.8,72.4) ; U4#2.13 40.73,79.88 40,80.6 v1(40,81.2) 40.6,81.8 44.8,81.8 46.64,79.97 U5#3.7 ; 23.92,13.14 23.92,13.92 25.6,15.6 28.6,15.6 v1(28.8,15.4) v1(35.2,15.4) 38.2,15.4 v1(38.4,15.2) ; U4#4.13 40.73,46.88 40,47.6 v1(40,48.2) 40.6,48.8 44.8,48.8 46.64,46.97 U5#2.7 ; v1(38.4,48.2) 38.2,48.4 v1(35.2,48.4) v1(28.8,48.4) 28.6,48.6 25.6,48.6 23.92,46.92 23.92,46.14
  Bottom w0.2: v1(35.12,78.8) 35.2,78.88 v1(35.2,81.4) ; v1(40,81.2) v1(38.4,81.2) ; v1(28.88,52.2) 28.8,52.12 v1(28.8,48.4) ; v1(81.6,62.8) 77.88,62.8 v1(77.8,62.88) ; v1(35.2,48.4) 35.2,45.88 v1(35.12,45.8) ; v1(81.8,74) v1(81.8,72.4) ; v1(28.88,19.2) 28.8,19.12 v1(28.8,15.4) ; v1(84.2,69.12) 84.12,69.2 v1(81.6,69.2) ; v1(28.8,81.4) 28.8,85.12 v1(28.88,85.2) ; v1(40,48.2) v1(38.4,48.2) ; v1(35.2,15.4) 35.2,12.88 v1(35.12,12.8) ; v1(40,15.2) v1(38.4,15.2)
/RCLK: length 138.4
  Top w0.2: U3#3.12 23.27,13.88 25.4,16 v1(29.4,16) v1(34.6,16) v1(38.4,16) ; 40.08,46.14 40.08,46.92 39.4,47.6 39.4,48.6 39.8,49 v1(40,49) 40.2,49.2 44.2,49.2 45.36,50.36 U5#2.3 ; 40.08,13.14 40.08,13.92 39.4,14.6 39.4,15.6 39.8,16 v1(40,16) 40.2,16.2 44.2,16.2 45.36,17.36 U5.3 ; U5#3.3 45.36,83.37 44.2,82.2 40.2,82.2 v1(40,82) 39.8,82 39.4,81.6 39.4,80.6 40.08,79.92 40.08,79.14 ; U5#4.3 79.64,79.37 80.8,78.2 80.8,74.2 v1(81,74) 81,73.8 81.4,73.4 82.4,73.4 83.08,74.08 83.86,74.08 ; v1(38.4,49) v1(34.6,49) v1(29.4,49) 25.4,49 23.27,46.88 U3.12 ; v1(81,72.4) v1(81,68.6) v1(81,63.4) 81,59.4 83.12,57.27 U3#2.12 ; U3#4.12 23.27,79.88 25.4,82 v1(29.4,82) v1(34.6,82) v1(38.4,82)
  Bottom w0.2: v1(29.52,18.8) 29.4,18.67 v1(29.4,16) ; v1(81,68.6) 83.67,68.6 v1(83.8,68.47) ; v1(34.6,49) 34.6,46.33 v1(34.48,46.2) ; v1(38.4,16) v1(40,16) ; v1(34.48,79.2) 34.6,79.33 v1(34.6,82) ; v1(34.6,16) 34.6,13.33 v1(34.48,13.2) ; v1(29.52,51.8) 29.4,51.67 v1(29.4,49) ; v1(38.4,49) v1(40,49) ; v1(78.2,63.52) 78.33,63.4 v1(81,63.4) ; v1(29.52,84.8) 29.4,84.67 v1(29.4,82) ; v1(81,72.4) v1(81,74) ; v1(38.4,82) v1(40,82)
/ROW1: length 88.4
  Bottom w0.2: D1.22 8,61 11,58 17.2,58 18.6,56.6 18.63,56.6 18.63,56.6 21.8,56.6 22.2,56.2 22.2,52.44 22.2,52.43 22.2,52.15 22.07,52.03 22.07,51.57 22.11,51.54 v1(21.98,51.4) ; v1(21.98,84.4) 22.11,84.54 22.07,84.57 22.07,85.03 22.2,85.15 22.2,85.43 22.2,85.44 22.2,89.2 21.8,89.6 18.63,89.6 18.63,89.6 18.6,89.6 17.2,91 11,91 8,94 D1#5.22 ; v1(21.98,18.4) 22.11,18.54 22.07,18.57 22.07,19.03 22.2,19.15 22.2,19.43 22.2,19.44 22.2,23.2 21.8,23.6 18.63,23.6 18.63,23.6 18.6,23.6 17.2,25 11,25 8,28 D1#6.22 ; D1#7.22 69,42 72,45 72,51.2 73.4,52.6 73.4,52.63 73.4,52.63 73.4,55.8 73.8,56.2 77.56,56.2 77.57,56.2 77.85,56.2 77.97,56.07 78.43,56.07 78.46,56.11 v1(78.6,55.98)
/ROW2: length 57.9
  Bottom w0.2: D1.19 14.8,61 18.8,57 22,57 22.6,56.4 22.6,52.6 22.6,52.6 22.6,51.83 v1(22.62,51.8) ; v1(22.62,84.8) 22.6,84.83 22.6,85.6 22.6,85.6 22.6,89.4 22,90 18.8,90 14.8,94 D1#5.19 ; v1(22.62,18.8) 22.6,18.83 22.6,19.6 22.6,19.6 22.6,23.4 22,24 18.8,24 14.8,28 D1#6.19 ; v1(78.2,56.62) 78.17,56.6 77.4,56.6 77.4,56.6 73.6,56.6 73,56 73,52.8 69,48.8 D1#7.19
/ROW3: length 36.9
  Bottom w0.2: D1#5.16 22.25,93.95 23,93.2 23,85.77 23,85.77 23,85.47 v1(23.27,85.2) ; D1.16 22.25,60.95 23,60.2 23,52.77 23,52.77 23,52.47 v1(23.27,52.2) ; D1#6.16 22.25,27.95 23,27.2 23,19.77 23,19.77 23,19.47 v1(23.27,19.2) ; D1#7.16 69.05,56.25 69.8,57 77.23,57 77.23,57 77.53,57 v1(77.8,57.27)
/ROW4: length 68
  Bottom w0.2: v1(23.92,18.8) 23.92,19.33 23.4,19.85 23.4,28.2 24.4,29.2 28.67,29.2 D1#6.13 ; v1(78.2,57.92) 77.67,57.92 77.15,57.4 68.8,57.4 67.8,58.4 67.8,62.67 D1#7.13 ; D1.13 28.67,62.2 24.4,62.2 23.4,61.2 23.4,52.85 23.92,52.33 v1(23.92,51.8) ; v1(23.92,84.8) 23.92,85.33 23.4,85.85 23.4,94.2 24.4,95.2 28.67,95.2 D1#5.13
/ROW5: length 116.2
  Bottom w0.2: v1(24.58,18.4) 24.79,18.4 25,18.19 25,15.4 23.8,14.2 23.8,12.6 23,11.8 22,11.8 21.2,11 21.2,7.4 20.6,6.8 17.8,6.8 17.4,6.4 10.4,6.4 8,4 D1#6.3 ; D1.3 8,37 10.4,39.4 17.4,39.4 17.8,39.8 20.6,39.8 21.2,40.4 21.2,44 22,44.8 23,44.8 23.8,45.6 23.8,47.2 25,48.4 25,51.19 24.79,51.4 v1(24.58,51.4) ; D1#5.3 8,70 10.4,72.4 17.4,72.4 17.8,72.8 20.6,72.8 21.2,73.4 21.2,77 22,77.8 23,77.8 23.8,78.6 23.8,80.2 25,81.4 25,84.19 24.79,84.4 v1(24.58,84.4) ; D1#7.3 93,42 90.6,44.4 90.6,51.4 90.2,51.8 90.2,54.6 89.6,55.2 86,55.2 85.2,56 85.2,57 84.4,57.8 82.8,57.8 81.6,59 78.81,59 78.6,58.79 v1(78.6,58.58)
